# Altium PCB PC104-M7_6L.PcbDoc (part 1 of 3) (continued)
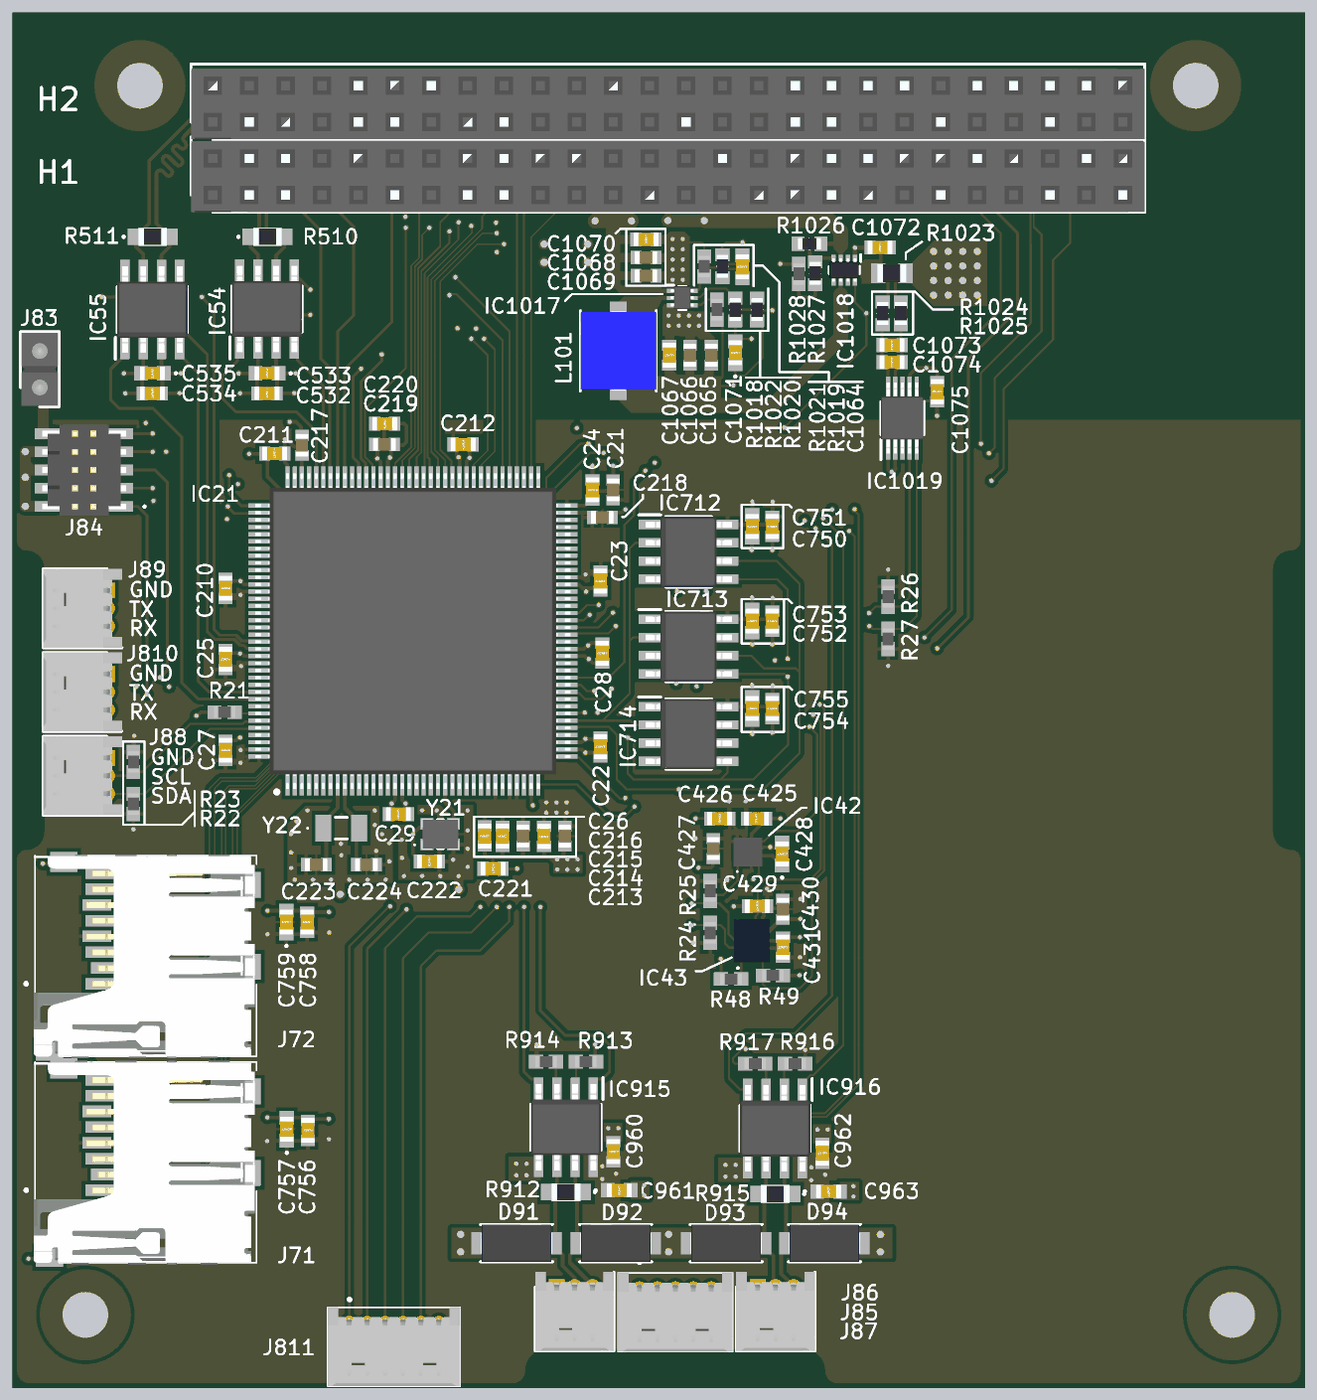
[diagram p7: 3D render of the assembled board from above, using the file's embedded part models]

## Layer stack, top to bottom
Top Solder: solder mask 0.0305, Solder Resist, Dk 3.8
Top Layer: signal copper 0.035
Dielectric 1: prepreg 0.0994, PP-015, Dk 4.1
Layer 2 (GND): plane copper 0.0152, net GND
Core 1: core 0.55, PP-037, Dk 4.6
Layer 3 (PWR): signal copper 0.0152
Dielectric 2: prepreg 0.1088, PP-017, Dk 4.16
Layer 4 (SIG): signal copper 0.0152
Core 2: core 0.55, PP-037, Dk 4.6
Layer 5 (GND): plane copper 0.0152, net GND
Dielectric 3: prepreg 0.0994, PP-015, Dk 4.1
Bottom Layer: signal copper 0.035
Bottom Solder: solder mask 0.0305, Solder Resist, Dk 3.8

## Board outline
0,1.2 0,36.85 cw(c0.96,36.85) 0.96,37.81 ccw(c0.96,38.77) 1.92,38.77 1.92,57.12 ccw(c0.96,57.12) 0.96,58.08 cw(c0.96,59.04) 0,59.04 0,94.69 cw(c1.2,94.69) 1.2,95.89 34.87,95.89 cw(c34.87,94.69) 36.07,94.69 ccw(c37.27,94.69) 37.27,93.49 55.19,93.49 ccw(c55.19,94.69) 56.39,94.69 cw(c57.59,94.69) 57.59,95.89 88.97,95.89 cw(c88.97,94.69) 90.17,94.69 90.17,59.045 cw(c89.21,59.045) 89.21,58.085 ccw(c89.21,57.125) 88.25,57.125 88.25,38.775 ccw(c89.21,38.775) 89.21,37.815 cw(c89.21,36.855) 90.17,36.855 90.17,1.2 cw(c88.97,1.2) 88.97,0 57.59,0 cw(c57.59,1.2) 56.39,1.2 ccw(c55.19,1.2) 55.19,2.4 37.27,2.4 ccw(c37.27,1.2) 36.07,1.2 cw(c34.87,1.2) 34.87,0 1.2,0 cw(c1.2,1.2)

## Design rules (kind name [scope] priority, off if disabled: settings)
BoardOutlineClearance OutlineClearance_JLCPCB [All] p1: gap=0.3 ignorepadtopadclearanceinfootprint=FALSE except(0: Fill-OutlineEdge Fill-CavityEdge Fill-CutoutEdge Fill-SplitBarrior Fill-SplitContinuation Region-OutlineEdge Region-CavityEdge Region-CutoutEdge Region-SplitBarrior Region-SplitContinuation)
Clearance Clearance_JLCPCB [All] p1: gap=0.254 ignorepadtopadclearanceinfootprint=TRUE except(0.09: Arc-Arc Arc-Track Track-Track; 0.127: SMDPad-SMDPad; 0.2: Arc-SMDPad Track-SMDPad; 0.5: THPad-Hole)
Clearance [All] p2: gap=0 ignorepadtopadclearanceinfootprint=TRUE except(0.254: Via-Via)
ComponentClearance ComponentClearance_1 [InComponent('H31') vs InComponent('H32')] p1: gap=0 collisioncheckmode=3 verticalgap=0.254 showdistances=FALSE
ComponentClearance [All] p2: gap=0.152 collisioncheckmode=3 verticalgap=0.254 showdistances=FALSE
DiffPairsRouting DiffPairsRouting_3 [All] p1: maxlimit=0.254 minlimit=0.254 mostfreqgap=0.254 toplayer_minwidth=0.254 toplayer_maxwidth=0.381 toplayer_prefwidth=0.381 midlayer1_minwidth=0.254 midlayer1_maxwidth=0.381 midlayer1_prefwidth=0.381 midlayer2_minwidth=0.254 midlayer2_maxwidth=0.381 midlayer2_prefwidth=0.381 bottomlayer_minwidth=0.254 bottomlayer_maxwidth=0.381 bottomlayer_prefwidth=0.381 maxuncoupledlength=12.7
DiffPairsRouting [All] p2: maxlimit=0.254 minlimit=0.254 mostfreqgap=0.254 toplayer_minwidth=0.381 toplayer_maxwidth=0.381 toplayer_prefwidth=0.381 midlayer1_minwidth=0.381 midlayer1_maxwidth=0.381 midlayer1_prefwidth=0.381 midlayer2_minwidth=0.381 midlayer2_maxwidth=0.381 midlayer2_prefwidth=0.381 bottomlayer_minwidth=0.381 bottomlayer_maxwidth=0.381 bottomlayer_prefwidth=0.381 maxuncoupledlength=12.7
Height [All] p1: minheight=0 maxheight=15 prefheight=12.7
HoleSize HoleSize_JLCPCB [All] p1: absolutevalues=TRUE maxlimit=6.3 minlimit=0.15 maxpercent=80.000 minpercent=20.000
HoleToHoleClearance HoleToHoleClearance_JLCPCB [All] p1: gap=0.254 allowstackedmicrovias=FALSE
MinimumAnnularRing MinimumAnnularRing_JLCPCB [IsPad] p1: minimumring=0.13
MinimumSolderMaskSliver [All] p1: minsoldermaskwidth=0.08
PlaneClearance [All] p1: clearance=0.508
PlaneConnect PlaneConnect_1 [InPadClass('All Pads')] p1: planeconnectstyle=Relief reliefexpansion=0.508 reliefentries=4 reliefconductorwidth=0.254 reliefairgap=0.254
PlaneConnect [All] p2: planeconnectstyle=Direct reliefexpansion=0.508 reliefentries=4 reliefconductorwidth=0.254 reliefairgap=0.254
PolygonConnect [All] p1: connectstyle=Relief reliefconductorwidth=0.254 reliefentries=4 polygonreliefangle="90 Angle" airgapwidth=0.254
RoutingTopology [OnLayer('Top Layer')] p1: topology=Shortest
RoutingVias RoutingVias_JLCPCB [All] p1: holewidth=0.3 width=0.45 viastyle="Through Hole" minholewidth=0.3 minwidth=0.45 maxholewidth=0.711 maxwidth=1.27
SilkToSilkClearance SilkToSilkClearance_JLCPCB [All] p1: silktosilkclearance=0.15
SilkToSolderMaskClearance SilkToSolderMaskClearance_JLCPCB [IsPad] p1: minsilkscreentomaskgap=0.15 clearancetoexposedcopper=TRUE
SolderMaskExpansion SolderMaskExpansion_JLCPCB [IsVia] p1: expansion=0.038 istentingtop=TRUE
UnRoutedNet [All] p1: checkbadconnections=TRUE
Width Width_JLCPCB [All] p1: maxlimit=2.54 minlimit=0.09 preferedwidth=0.254 toplayer_prefwidth=0.127 midlayer1_prefwidth=0.127 minimp=50.000000 maximp=50.000000 favimp=50.000000
18 further rules are at their usual default settings.

## Classes and differential pairs
component class RS485: C960 C961 C962 C963 D91 D92 D93 D94 IC915 IC916 R912 R913 R914 R915 R916 R917
component class Power: C1064 C1065 C1066 C1067 C1068 C1069 C1070 C1071 C1072 C1073 C1074 C1075 IC1017 IC1018 IC1019 L101 R1018 R1019 R1020 R1021 R1022 R1023 R1024 R1025 R1026 R1027 R1028
component class MemoryStorage: C750 C751 C752 C753 C754 C755 C756 C757 C758 C759 IC712 IC713 IC714 J71 J72
component class MCU: C21 C22 C23 C24 C25 C26 C27 C28 C29 C210 C211 C212 C213 C214 C215 C216 C217 C218 C219 C220 C221 C222 C223 C224 IC21 R21 R22 R23 R24 R25 R26 R27 Y21 Y22
component class ExternalConnectors: J83 J84 J85 J86 J87 J88 J89 J810 J811
component class CAN: C532 C533 C534 C535 IC54 IC55 R510 R511
component class BoardConnectors: H31 H32
component class AOCS: C425 C426 C427 C428 C429 C430 C431 IC42 IC43 R48 R49
differential pair RS485_2: +RS485_2_P -RS485_2_N
differential pair RS485_1: +RS485_1_P -RS485_1_N
differential pair FDCAN2: +FDCAN2_P -FDCAN2_N
differential pair FDCAN1: +FDCAN1_P -FDCAN1_N

## Components (designator, comment, footprint, x,y, rotation, side; value= is the part's Value field where it differs from the comment)
C21 "4.7uF" CAPC1608X90N 41.91,62.611 r90 top (schematic designator C1)
C22 "100nF" CAPC1608X95N 41.021,44.704 r270 top (schematic designator C2)
C23 "100nF" CAPC1608X95N 41.021,56.261 r270 top (schematic designator C3)
C24 "100nF" CAPC1608X95N 40.462,62.611 r90 top (schematic designator C4)
C25 "100nF" CAPC1608X95N 14.859,50.8 r90 top (schematic designator C5)
C26 "100nF" CAPC1608X95N 32.944,38.481 r270 top (schematic designator C6)
C27 "100nF" CAPC1608X95N 14.859,44.45 r90 top (schematic designator C7)
C28 "100nF" CAPC1608X95N 41.148,51.232 r270 top (schematic designator C8)
C29 "100nF" CAPC1608X95N 26.924,40.005 r180 top (schematic designator C9)
C210 "100nF" CAPC1608X95N 14.859,55.753 r90 top (schematic designator C10)
C211 "100nF" CAPC1608X95N 18.288,65.151 r180 top (schematic designator C11)
C212 "100nF" CAPC1608X95N 31.431,65.786 r0 top (schematic designator C12)
C213 "1uF" CAPC1608X90N 38.532,38.466 r270 top (schematic designator C13)
C214 "100nF" CAPC1608X95N 37.084,38.455 r270 top (schematic designator C14)
C215 "1uF" CAPC1608X90N 35.611,38.48 r270 top (schematic designator C15)
C216 "100nF" CAPC1608X95N 34.189,38.466 r270 top (schematic designator C16)
C217 "2.2uF" CAPC1608X90N 20.193,65.724 r90 top (schematic designator C17)
C218 "2.2uF" CAPC1608X90N 41.148,60.706 r0 top (schematic designator C18)
C219 "1uF" CAPC1608X90N 25.945,65.786 r0 top (schematic designator C19)
C220 "100nF" CAPC1608X95N 25.959,67.234 r0 top (schematic designator C20)
C221 "100nF" CAPC1608X95N 33.528,36.195 r180 top (schematic designator C21)
C222 "100nF" CAPC1608X95N 29.083,36.703 r0 top (schematic designator C22)
C223 "25pF" CAPC1608X90N 21.184,36.474 r180 top (schematic designator C23)
C224 "25pF" CAPC1608X90N 24.689,36.474 r0 top (schematic designator C24)
C425 "100nF" CAPC1608X95N 51.902,39.687 r0 top (schematic designator C25)
C426 "100nF" CAPC1608X95N 49.336,39.687 r180 top (schematic designator C26)
C427 "10uF" CAPC1608X90N 48.89,37.6 r270 top (schematic designator C27)
C428 "220nF" C0603 53.692,37.223 r90 top (schematic designator C28)
C429 "100nF" CAPC1608X95N 51.969,33.579 r180 top (schematic designator C29)
C430 "10uF" CAPC1608X90N 53.746,33.366 r270 top (schematic designator C30)
C431 "100nF" CAPC1608X95N 53.746,30.72 r90 top (schematic designator C31)
C532 "100nF" CAPC1608X95N 17.756,69.35 r180 top locked (schematic designator C32)
C533 "0.01uF" C0603 17.756,70.747 r180 top locked (schematic designator C33)
C534 "100nF" CAPC1608X95N 9.755,69.35 r180 top locked (schematic designator C34)
C535 "0.01uF" C0603 9.755,70.747 r180 top locked (schematic designator C35)
C750 "100nF" CAPC1608X95N 53.01,60.071 r270 top (schematic designator C50)
C751 "0.01uF" C0603 51.613,60.071 r270 top (schematic designator C51)
C752 "100nF" CAPC1608X95N 53.01,53.467 r270 top (schematic designator C52)
C753 "0.01uF" C0603 51.613,53.467 r270 top (schematic designator C53)
C754 "100nF" CAPC1608X95N 53.01,47.371 r270 top (schematic designator C54)
C755 "0.01uF" C0603 51.613,47.371 r270 top (schematic designator C55)
C756 "100nF" CAPC1608X95N 20.604,17.94 r90 top (schematic designator C56)
C757 "0.01uF" C0603 19.131,18.029 r90 top (schematic designator C57)
C758 "100nF" CAPC1608X95N 20.553,32.469 r90 top (schematic designator C58)
C759 "0.01uF" C0603 19.105,32.469 r90 top (schematic designator C59)
C960 "100nF" CAPC1608X95N 41.91,16.459 r90 top (schematic designator C60)
C961 "0.01uF" C0603 42.331,13.767 r0 top (schematic designator C61)
C962 "100nF" CAPC1608X95N 56.49,16.358 r90 top (schematic designator C62)
C963 "0.01uF" C0603 56.93,13.691 r0 top (schematic designator C63)
C1064 "30pF" C0603 50.926,78.173 r270 top locked (schematic designator C64)
C1065 "22uF" CAPC1608X90N 48.752,72.009 r90 top locked (schematic designator C65)
C1066 "22uF" CAPC1608X90N 47.253,72.009 r90 top locked (schematic designator C66)
C1067 "100nF" CAPC1608X95N 45.817,72.009 r90 top locked (schematic designator C67)
C1068 "10uF" CAPC1608X90N 44.19,78.823 r0 top locked (schematic designator C68)
C1069 "10uF" CAPC1608X90N 44.19,77.553 r0 top locked (schematic designator C69)
C1070 "100nF" CAPC1608X95N 44.19,80.093 r0 top locked (schematic designator C70)
C1071 "0.01uF" C0603 50.425,72.175 r90 top (schematic designator C71)
C1072 "100nF" CAPC1608X95N 60.525,79.525 r180 top (schematic designator C72)
C1073 "100nF" CAPC1608X95N 61.358,72.721 r0 top locked (schematic designator C73)
C1074 "100nF" CAPC1608X95N 61.358,71.527 r0 top locked (schematic designator C74)
C1075 "100nF" CAPC1608X95N 64.516,69.469 r270 top locked (schematic designator C75)
D91 "SMAJ30CA" DIONM5026X229N 35.167,10.084 r0 top (schematic designator D1)
D92 "SMAJ30CA" DIONM5026X229N 42.081,10.084 r180 top (schematic designator D2)
D93 "SMAJ30CA" DIONM5026X229N 49.79,10.084 r0 top (schematic designator D3)
D94 "SMAJ30CA" DIONM5026X229N 56.648,10.084 r180 top (schematic designator D4)
H31 "ESQ-126-39-G-D-001" RHDR52W64P254_2X26_6654X495X1135P 13.97,83.19 r0 top locked (schematic designator H1)
H32 "ESQ-126-39-G-D-001" RHDR52W64P254_2X26_6654X495X1135P 13.97,88.27 r0 top locked (schematic designator H2)
IC21 "STM32H753ZIT6" QFP50P2200X2200X160-144N 27.934,52.773 r90 top locked (schematic designator IC1)
IC42 "IIS2MDCTR" IIS2MDCTR 51.304,37.35 r90 top (schematic designator IC2)
IC43 "ASM330LHHTR" LGA-14(2.5X3X0.86) 51.587,31.166 r90 top (schematic designator IC3)
IC54 "TCAN337GDR" SOIC127P600X175-8N 17.756,75.23 r90 top locked (schematic designator IC4)
IC55 "TCAN337GDR" SOIC127P600X175-8N 9.755,75.192 r90 top locked (schematic designator IC5)
IC712 "MB85RS1MTPNF-G-JNERE1" SOIC127P600X175-8N 47.168,58.293 r0 top locked (schematic designator IC12)
IC713 "MB85RS1MTPNF-G-JNERE1" SOIC127P600X175-8N 47.168,51.689 r0 top locked (schematic designator IC13)
IC714 "MB85RS1MTPNF-G-JNERE1" SOIC127P600X175-8N 47.168,45.593 r0 top locked (schematic designator IC14)
IC915 "THVD2450DR" SOIC127P600X175-8N 38.614,18.165 r270 top (schematic designator IC15)
IC916 "THVD2450DR" SOIC127P600X175-8N 53.203,18.085 r270 top (schematic designator IC16)
IC1017 "TPS564252DRLR" SOTFL50P160X60-6N 46.726,75.996 r0 top locked (schematic designator IC17)
IC1018 "TPS2117DRLR" SOTFL50P160X60-8N 58.032,77.949 r270 top locked (schematic designator IC18)
IC1019 "INA237AQDGSRQ1" SOP50P490X110-10N 62.087,67.625 r90 top locked (schematic designator IC19)
J71 "MEM2061-01-188-00-A" MEM20610118800A 6.075,21.474 r270 top locked (schematic designator J1)
J72 "MEM2061-01-188-00-A" MEM20610118800A 6.075,35.876 r270 top locked (schematic designator J2)
J83 "61300211121" HDRV2W110P0X254_1X2_508X254X854P 1.9,69.76 r90 top (schematic designator J3)
J84 "FTSH-105-01-L-DV-K" FTSH10501LDVK 7,64 r90 top (schematic designator J4)
J85 "0530480560" 530480510 43.743,6.96 r180 top (schematic designator J5)
J86 "53048-0360" SHDRRA3W35P0X125_1X3_550X550X350P 37.962,7.01 r180 top (schematic designator J6)
J87 "53048-0360" SHDRRA3W35P0X125_1X3_550X550X350P 51.988,7.01 r180 top (schematic designator J7)
J88 "53048-0360" SHDRRA3W35P0X125_1X3_550X550X350P 6.585,43.928 r90 top (schematic designator J8)
J89 "53048-0360" SHDRRA3W35P0X125_1X3_550X550X350P 6.585,55.606 r90 top (schematic designator J9)
J810 "53048-0360" SHDRRA3W35P0X125_1X3_550X550X350P 6.585,49.773 r90 top (schematic designator J10)
J811 "53048-0610" 530480610 23.49,4.55 r180 top (schematic designator J11)
L101 "3.3uH" INDPM5653X430N 42.264,72.31 r270 top locked (schematic designator L1)
R21 "10K" RESC1508X50N 14.794,47.117 r180 top (schematic designator R1)
R22 "10K" RESC1508X50N 8.433,40.716 r90 top (schematic designator R2)
R23 "10K" RESC1508X50N 8.433,43.637 r270 top (schematic designator R3)
R24 "10K" RESC1508X50N 48.678,31.725 r90 top (schematic designator R4)
R25 "10K" RESC1508X50N 48.678,34.646 r270 top (schematic designator R5)
R26 "10K" RESC1508X50N 61.087,55.169 r270 top (schematic designator R6)
R27 "10K" RESC1508X50N 61.087,52.222 r90 top (schematic designator R7)
R48 "10K" RESC1508X50N 50.125,28.5 r180 top (schematic designator R8)
R49 "10K" RESC1508X50N 53.049,28.753 r0 top (schematic designator R9)
R510 "120R" ERA6VK 17.78,80.264 r0 top locked (schematic designator R10)
R511 "120R" ERA6VK 9.779,80.264 r0 top locked (schematic designator R11)
R912 "120R" ERA6VK 38.614,13.64 r180 top (schematic designator R12)
R913 "10K" RESC1508X50N 40.006,22.733 r0 top (schematic designator R13)
R914 "10K" RESC1508X50N 37.217,22.733 r180 top (schematic designator R14)
R915 "120R" ERA6VK 53.213,13.513 r180 top (schematic designator R15)
R916 "10K" RESC1508X50N 54.6,22.606 r0 top (schematic designator R16)
R917 "10K" RESC1508X50N 51.806,22.606 r180 top (schematic designator R17)
R1018 "10K" RESC1508X50N 49.149,75.184 r90 top locked (schematic designator R18)
R1019 "45.3k" RESC1608X55N 49.526,78.203 r270 top locked (schematic designator R19)
R1020 "20k" RESC1608X55N 51.943,75.184 r270 top locked (schematic designator R20)
R1021 "10K" RESC1508X50N 48.258,78.203 r90 top locked (schematic designator R21)
R1022 "20k" RESC1608X55N 50.419,75.184 r270 top locked (schematic designator R22)
R1023 "1m" RESC2012X80N 61.341,77.724 r180 top locked (schematic designator R23)
R1024 "10R" RESC1608X55N 60.706,74.93 r90 top locked (schematic designator R24)
R1025 "10R" RESC1608X55N 61.976,74.93 r90 top locked (schematic designator R25)
R1026 "45.3k" RESC1608X55N 55.601,79.781 r180 top locked (schematic designator R26)
R1027 "20k" RESC1608X55N 56,77.72 r90 top locked (schematic designator R27)
R1028 "10K" RESC1508X50N 54.86,77.674 r270 top locked (schematic designator R28)
Y21 "ECS-TXO-2520-33-160-AN-TR" ECSTXO252033160ANTR 29.845,38.608 r0 top (schematic designator Y1)
Y22 "CM315D32768HZFT" CM315D32768HZFT 22.934,39.026 r0 top (schematic designator Y2)

## Footprints (in the part's own frame and the unit in brackets; to place one, negate y for a bottom-side part, rotate by r counter-clockwise, add the part's x,y. Pads: shape width x height; smd on the part's side, far side on the other; paste and mask are expansions set on the pad)
530480510 [mm]
  round 0.9 hole 0.55: 1(0,0) 2(-1.25,0) 3(-2.5,0) 4(-3.75,0) 5(-5,0)
  silkscreen extent -6.5,-1.9 1.5,4.45, body extent -6.5,-1.04 1.5,4.45, height 3.33
530480610 [mm]
  round 0.9 hole 0.55: 1(0,0) 2(-1.25,0) 3(-2.5,0) 4(-3.75,0) 5(-5,0) 6(-6.25,0)
  silkscreen extent -7.75,-1.7 1.5,4.45, body extent -7.74,-1.07 1.51,4.43, height 3.27
C0603 [mm]
  rect 0.95x1 smd: 1(-0.8,0) 2(0.8,0)
  silkscreen extent -1.7,-0.05 -1.6,0.05, body extent -0.87,-0.48 0.88,0.47, height 0.95
CAPC1608X90N [mm]
  rect 0.75x0.94 smd: 1(-0.7,0) 2(0.7,0)
  body extent -0.8,-0.45 0.8,0.45, height 0.8
CAPC1608X95N [mm]
  rect 0.78x0.98 smd: 1(-0.7,0) 2(0.7,0)
  body extent -0.87,-0.48 0.88,0.47, height 0.87
CM315D32768HZFT [mm]
  rect 1.1x1.9 smd: 1(-1.25,0) 2(1.25,0)
  silkscreen extent -2.4,-0.75 0.4,0.75
DIONM5026X229N [mm]
  rect 2.2x1.55 smd: 1(-2.05,0) 2(2.05,0)
  silkscreen extent -2.52,-1.3 2.52,1.3, body extent -2.52,-1.3 2.52,1.3, height 2.29
ECSTXO252033160ANTR [mm]
  rect 0.9x0.8 smd: 1(-0.925,-0.725) 2(0.925,-0.725) 3(0.925,0.725) 4(-0.925,0.725)
  silkscreen extent -1.85,-1 0.2,1, body extent -1.3,-1.04 1.3,1.04, height 1.1
ERA6VK [mm]
  rect 1.15x1.15 smd: 1(-1.175,0) 2(1.175,0)
  silkscreen extent -2.07,-0.05 -1.97,0.05, body extent -1,-0.63 1,0.63, height 0.56
FTSH10501LDVK [mm]
  rect 0.74x2.79 smd: 1(-2.54,0) 2(-2.54,4.07) 3(-1.27,0) 4(-1.27,4.07) 5(0,0) 6(0,4.07) 7(1.27,0) 8(1.27,4.07) 9(2.54,0) 10(2.54,4.07)
  silkscreen extent -2.6,-2.25 -2.5,-2.15, body extent -3.18,-0.92 3.17,4.93, height 6.13
HDRV2W110P0X254_1X2_508X254X854P [mm]
  rect 1.95x1.95 hole 1.3: 1(0,0)
  round 1.95 hole 1.3: 2(2.54,0)
  silkscreen extent -1.35,-1.34 3.89,1.35, body extent -1.27,-1.27 3.81,1.27, height 8.54
IIS2MDCTR [mm]
  rect 0.35x0.3 smd: 1(-0.75,0.75) 2(-0.75,0.25) 3(-0.75,-0.25) 4(-0.75,-0.75) 7(0.75,-0.75) 8(0.75,-0.25) 9(0.75,0.25) 10(0.75,0.75)
  rect 0.3x0.35 smd: 5(-0.25,-0.75) 6(0.25,-0.75) 11(0.25,0.75) 12(-0.25,0.75)
  silkscreen extent -1.4,0.7 -1.3,0.8, body extent -1,-1 1,1, height 0.7
INDPM5653X430N [mm]
  rect 2.25x1.2 smd: 1(-2.3,0) 2(2.3,0)
  silkscreen extent -2.8,-2.65 2.8,2.65, body extent -2.8,-2.65 2.8,2.65, height 4.3
LGA-14(2.5X3X0.86) [mm]
  rect 0.475x0.25 smd: 1(-1.163,0.75) 2(-1.163,0.25) 3(-1.163,-0.25) 4(-1.163,-0.75) 8(1.162,-0.75) 9(1.162,-0.25) 10(1.162,0.25) 11(1.162,0.75)
  rect 0.25x0.475 smd: 5(-0.5,-0.913) 6(0,-0.913) 7(0.5,-0.913) 12(0.5,0.912) 13(0,0.912) 14(-0.5,0.912)
  silkscreen extent -1.93,0.95 -1.88,1.01, body extent -1.5,-1.25 1.5,1.25, height 0.86
MEM20610118800A [mm]
  rect 1.8x1.4 smd: CD1(6.51,10.55) CD2(0.81,10.55)
  rect 1.4x1.9 smd: G1(12.36,-3.5) G2(-0.79,-2.5)
  rect 0.8x2 smd: P1(7.7,0) P2(6.6,0.4) P3(5.5,0) P4(4.4,-0.2) P5(3.3,0) P6(2.2,-0.2) P7(1.1,0) P8(0,0)
  silkscreen extent -1.24,-5.23 12.76,10.95, body extent -1.32,-4.61 12.88,10.84, height 1.95
QFP50P2200X2200X160-144N [mm]
  rect 1.475x0.3 smd: 1(-10.738,8.75) 2(-10.738,8.25) 3(-10.738,7.75) 4(-10.738,7.25) 5(-10.738,6.75) 6(-10.738,6.25) 7(-10.738,5.75) 8(-10.738,5.25) 9(-10.738,4.75) 10(-10.738,4.25) 11(-10.738,3.75) 12(-10.738,3.25) 13(-10.738,2.75) 14(-10.738,2.25) 15(-10.738,1.75) 16(-10.738,1.25) 17(-10.738,0.75) 18(-10.738,0.25) 19(-10.738,-0.25) 20(-10.738,-0.75) 21(-10.738,-1.25) 22(-10.738,-1.75) 23(-10.738,-2.25) 24(-10.738,-2.75) 25(-10.738,-3.25) 26(-10.738,-3.75) 27(-10.738,-4.25) 28(-10.738,-4.75) 29(-10.738,-5.25) 30(-10.738,-5.75) 31(-10.738,-6.25) 32(-10.738,-6.75) 33(-10.738,-7.25) 34(-10.738,-7.75) 35(-10.738,-8.25) 36(-10.738,-8.75) 73(10.738,-8.75) 74(10.738,-8.25) 75(10.738,-7.75) 76(10.738,-7.25) 77(10.738,-6.75) 78(10.738,-6.25) 79(10.738,-5.75) 80(10.738,-5.25) 81(10.738,-4.75) 82(10.738,-4.25) 83(10.738,-3.75) 84(10.738,-3.25) 85(10.738,-2.75) 86(10.738,-2.25) 87(10.738,-1.75) 88(10.738,-1.25) 89(10.738,-0.75) 90(10.738,-0.25) 91(10.738,0.25) 92(10.738,0.75) 93(10.738,1.25) 94(10.738,1.75) 95(10.738,2.25) 96(10.738,2.75) 97(10.738,3.25) 98(10.738,3.75) 99(10.738,4.25) 100(10.738,4.75) 101(10.738,5.25) 102(10.738,5.75) 103(10.738,6.25) 104(10.738,6.75) 105(10.738,7.25) 106(10.738,7.75) 107(10.738,8.25) 108(10.738,8.75)
  rect 0.3x1.475 smd: 37(-8.75,-10.738) 38(-8.25,-10.738) 39(-7.75,-10.738) 40(-7.25,-10.738) 41(-6.75,-10.738) 42(-6.25,-10.738) 43(-5.75,-10.738) 44(-5.25,-10.738) 45(-4.75,-10.738) 46(-4.25,-10.738) 47(-3.75,-10.738) 48(-3.25,-10.738) 49(-2.75,-10.738) 50(-2.25,-10.738) 51(-1.75,-10.738) 52(-1.25,-10.738) 53(-0.75,-10.738) 54(-0.25,-10.738) 55(0.25,-10.738) 56(0.75,-10.738) 57(1.25,-10.738) 58(1.75,-10.738) 59(2.25,-10.738) 60(2.75,-10.738) 61(3.25,-10.738) 62(3.75,-10.738) 63(4.25,-10.738) 64(4.75,-10.738) 65(5.25,-10.738) 66(5.75,-10.738) 67(6.25,-10.738) 68(6.75,-10.738) 69(7.25,-10.738) 70(7.75,-10.738) 71(8.25,-10.738) 72(8.75,-10.738) 109(8.75,10.738) 110(8.25,10.738) 111(7.75,10.738) 112(7.25,10.738) 113(6.75,10.738) 114(6.25,10.738) 115(5.75,10.738) 116(5.25,10.738) 117(4.75,10.738) 118(4.25,10.738) 119(3.75,10.738) 120(3.25,10.738) 121(2.75,10.738) 122(2.25,10.738) 123(1.75,10.738) 124(1.25,10.738) 125(0.75,10.738) 126(0.25,10.738) 127(-0.25,10.738) 128(-0.75,10.738) 129(-1.25,10.738) 130(-1.75,10.738) 131(-2.25,10.738) 132(-2.75,10.738) 133(-3.25,10.738) 134(-3.75,10.738) 135(-4.25,10.738) 136(-4.75,10.738) 137(-5.25,10.738) 138(-5.75,10.738) 139(-6.25,10.738) 140(-6.75,10.738) 141(-7.25,10.738) 142(-7.75,10.738) 143(-8.25,10.738) 144(-8.75,10.738)
  silkscreen extent -11.35,-9.65 9.65,9.65, body extent -11,-11 11,11, height 1.6
RESC1508X50N [mm]
  rect 1x0.95 smd: 1(-0.7,0) 2(0.7,0)
  body extent -0.75,-0.4 0.75,0.4, height 0.4
RESC1608X55N [mm]
  rect 0.9x1 smd: 1(-0.8,0) 2(0.8,0)
  silkscreen extent 0,-0.32 0,0.32, body extent -0.8,-0.4 0.8,0.4, height 0.45
RESC2012X80N [mm]
  rect 1x1.4 smd: 1(-0.95,0) 2(0.95,0)
  silkscreen extent 0,-0.53 0,0.52, body extent -1,-0.63 1,0.63, height 0.8
RHDR52W64P254_2X26_6654X495X1135P [mm]
  rect 1.65x1.65 hole 1.1: 1(0,0)
  round 1.65 hole 1.1: 2(0,2.54) 3(2.54,0) 4(2.54,2.54) 5(5.08,0) 6(5.08,2.54) 7(7.62,0) 8(7.62,2.54) 9(10.16,0) 10(10.16,2.54) 11(12.7,0) 12(12.7,2.54) 13(15.24,0) 14(15.24,2.54) 15(17.78,0) 16(17.78,2.54) 17(20.32,0) 18(20.32,2.54) 19(22.86,0) 20(22.86,2.54) 21(25.4,0) 22(25.4,2.54) 23(27.94,0) 24(27.94,2.54) 25(30.48,0) 26(30.48,2.54) 27(33.02,0) 28(33.02,2.54) 29(35.56,0) 30(35.56,2.54) 31(38.1,0) 32(38.1,2.54) 33(40.64,0) 34(40.64,2.54) 35(43.18,0) 36(43.18,2.54) 37(45.72,0) 38(45.72,2.54) 39(48.26,0) 40(48.26,2.54) 41(50.8,0) 42(50.8,2.54) 43(53.34,0) 44(53.34,2.54) 45(55.88,0) 46(55.88,2.54) 47(58.42,0) 48(58.42,2.54) 49(60.96,0) 50(60.96,2.54) 51(63.5,0) 52(63.5,2.54)
  silkscreen extent -1.52,-1.21 65.02,4.05, body extent -1.52,-1.2 65.02,3.74, height 11.35
SHDRRA3W35P0X125_1X3_550X550X350P [mm]
  rect 1.1x1.1 hole 0.7: 1(0,0)
  round 1.1 hole 0.7: 2(-1.25,0) 3(-2.5,0)
  silkscreen extent -4,-1.05 1.5,4.45, body extent -4,-1.05 1.5,4.44, height 3.32
SOIC127P600X175-8N [mm]
  rect 1.528x0.65 smd: 1(-2.711,1.905) 2(-2.711,0.635) 3(-2.711,-0.635) 4(-2.711,-1.905) 5(2.711,-1.905) 6(2.711,-0.635) 7(2.711,0.635) 8(2.711,1.905)
  silkscreen extent -3.47,-2.45 1.6,2.58, body extent -3.01,-2.45 3.01,2.45, height 1.63
SOP50P490X110-10N [mm]
  rect 1.4x0.3 smd: 1(-2.2,1) 2(-2.2,0.5) 3(-2.2,0) 4(-2.2,-0.5) 5(-2.2,-1) 6(2.2,-1) 7(2.2,-0.5) 8(2.2,0) 9(2.2,0.5) 10(2.2,1)
  silkscreen extent -2.9,-1.5 1.15,1.5, body extent -2.46,-1.5 2.46,1.5, height 1.1
SOTFL50P160X60-6N [mm]
  rect 0.475x0.3 smd: 1(-0.838,0.5) 2(-0.838,0) 3(-0.838,-0.5) 4(0.838,-0.5) 5(0.838,0) 6(0.838,0.5)
  silkscreen extent -1.07,-0.8 0.25,0.9, body extent -0.8,-0.78 0.8,0.82, height 0.6
SOTFL50P160X60-8N [mm]
  rect 0.475x0.3 smd: 1(-0.838,0.75) 2(-0.838,0.25) 3(-0.838,-0.25) 4(-0.838,-0.75) 5(0.838,-0.75) 6(0.838,-0.25) 7(0.838,0.25) 8(0.838,0.75)
  silkscreen extent -1.07,-1.05 0.25,1.15, body extent -0.8,-1.05 0.8,1.05, height 0.6

## Part data
C21: library part CL10A475KP8NNNC, "4.7 µF ±10% 10V Ceramic Capacitor X5R 0603 (1608 Metric)", Manufacturer_Name=SAMSUNG, Mouser Part Number=187-CL10A475KP8NNNC, Arrow Part Number=CL10A475KP8NNNC, Arrow Price/Stock=https://www.arrow.com/en/products/cl10a475kp8nnnc/samsung-electro-mechanics?region=europe, Datasheet Link=https://www.arrow.com/en/products/cl10a475kp8nnnc/samsung-electro-mechanics, Height=0.9mm, Manufacturer_Part_Number=CL10A475KP8NNNC, Mouser Price/Stock=https://www.mouser.co.uk/ProductDetail/Samsung-Electro-Mechanics/CL10A475KP8NNNC?qs=hqM3L16%252BxlfQRmkWsZz5vA%3D%3D
C22 C23 C24 C25 C26 C27 C28 C29 C210 C211 C212 C214 C216 C220 C221 C222 C425 C426 C429 C431 C532 C534 C750 C752 C754 C756 C758 C960 C962 C1067 C1070 C1072 C1073 C1074 C1075: library part C0603C104M4RAC7867, "0.1 µF ±20% 16V Ceramic Capacitor X7R 0603 (1608 Metric)", Manufacturer_Name=KEMET, Mouser Part Number=N/A, Arrow Part Number=C0603C104M4RAC7867, Arrow Price/Stock=https://www.arrow.com/en/products/c0603c104m4rac7867/kemet-corporation?region=europe, Datasheet Link=https://www.arrow.com/en/products/c0603c104m4rac7867/kemet-corporation?region=nac, Height=0.95mm, Manufacturer_Part_Number=C0603C104M4RAC7867, Mouser Price/Stock=https://www.mouser.co.uk/ProductDetail/KEMET/C0603C104M4RAC7867?qs=nAEW9fCjKd%252BI998RVtZhZQ%3D%3D
C213 C215 C219: library part CL10A105KA8NNNC, "1 µF ±10% 25V Ceramic Capacitor X5R 0603 (1608 Metric)", Manufacturer_Name=SAMSUNG, Mouser Part Number=187-CL10A105KA8NNNC, Arrow Part Number=CL10A105KA8NNNC, Arrow Price/Stock=https://www.arrow.com/en/products/cl10a105ka8nnnc/samsung-electro-mechanics?region=europe, Datasheet Link=http://uk.rs-online.com/web/p/products/7664838, Height=0.9mm, Manufacturer_Part_Number=CL10A105KA8NNNC, Mouser Price/Stock=https://www.mouser.co.uk/ProductDetail/Samsung-Electro-Mechanics/CL10A105KA8NNNC?qs=hqM3L16%252BxldY%252BnK4KzDJVg%3D%3D
C217 C218: library part CL10A225KO8NNNC, "2.2 µF ±10% 16V Ceramic Capacitor X5R 0603 (1608 Metric)", Manufacturer_Name=SAMSUNG, Mouser Part Number=187-CL10A225KO8NNNC, Arrow Part Number=CL10A225KO8NNNC, Arrow Price/Stock=https://www.arrow.com/en/products/cl10a225ko8nnnc/samsung-electro-mechanics?region=nac, Datasheet Link=https://lcsc.componentsearchengine.com/Datasheets/2/CL10A225KO8NNNC.pdf, Height=0.9mm, Manufacturer_Part_Number=CL10A225KO8NNNC, Mouser Price/Stock=https://www.mouser.co.uk/ProductDetail/Samsung-Electro-Mechanics/CL10A225KO8NNNC?qs=hqM3L16%252BxlecoJxUp5hKOw%3D%3D
C223 C224: library part GCM1885C2A220FA16D, "22 pF ±1% 100V Ceramic Capacitor C0G, NP0 0603 (1608 Metric)", Manufacturer_Name="Murata Electronics", Datasheet Link=https://www.murata.com/en-global/api/pdfdownloadapi?cate=luCeramicCapacitorsSMD&partno=GCM1885C2A220FA16%23, Height=0.9mm, Manufacturer_Part_Number=GCM1885C2A220FA16D
C427 C430 C1068 C1069: library part GRM188D71A106KA73D, "CAP CER 10UF 10V X7T 0603", Manufacturer_Name="Murata Electronics", Mouser Part Number=81-GRM188D71A106KA3D, Arrow Part Number=GRM188D71A106KA73D, Arrow Price/Stock=https://www.arrow.com/en/products/grm188d71a106ka73d/murata-manufacturing?region=nac, Datasheet Link=https://psearch.en.murata.com/capacitor/product/GRM188D71A106KA73%23.html, Height=0.9mm, Manufacturer_Part_Number=GRM188D71A106KA73D, Mouser Price/Stock=https://www.mouser.co.uk/ProductDetail/Murata-Electronics/GRM188D71A106KA73D?qs=FvQ4nYu%252B2He2GIhYKxXmMQ%3D%3D
C428: library part C0603C224K4RECAUTO, "0.22 µF ±10% 16V Ceramic Capacitor X7R 0603 (1608 Metric)", Manufacturer_Name=KEMET, Mouser Part Number=80-C0603C224K4RECAUT, Arrow Part Number=C0603C224K4RECAUTO, Arrow Price/Stock=https://www.arrow.com/en/products/c0603c224k4recauto/kemet-corporation, Datasheet Link=https://content.kemet.com/datasheets/KEM_C1090_X7R_ESD.pdf, Height=0.87mm, Manufacturer_Part_Number=C0603C224K4RECAUTO, Mouser Price/Stock=https://www.mouser.co.uk/ProductDetail/KEMET/C0603C224K4RECAUTO?qs=MLItCLRbWszB36u3S8vAZQ%3D%3D
C533 C535 C751 C753 C755 C757 C759 C961 C963 C1071: library part C0603C103KMRECAUTO, "10000 pF ±10% 63V Ceramic Capacitor X7R 0603 (1608 Metric)", Manufacturer_Name=KEMET, Mouser Part Number=80-C0603C103KMREAUTO, Arrow Part Number=C0603C103KMRECAUTO, Arrow Price/Stock=https://www.arrow.com/en/products/c0603c103kmrecauto/kemet-corporation?region=nac, Datasheet Link=https://content.kemet.com/datasheets/KEM_C1090_X7R_ESD.pdf, Height=0.87mm, Manufacturer_Part_Number=C0603C103KMRECAUTO, Mouser Price/Stock=https://www.mouser.co.uk/ProductDetail/KEMET/C0603C103KMRECAUTO?qs=u4fy%2FsgLU9P0r6p3bzZgfw%3D%3D
C1064: library part C0603C300F5HACAUTO, "30 pF ±1% 50V Ceramic Capacitor X8R 0603 (1608 Metric)", Manufacturer_Name=KEMET, Mouser Part Number=80-C0603C300F5HAUTO, Datasheet Link=https://content.kemet.com/datasheets/KEM_C1007_X8R_ULTRA_150C_SMD.pdf, Height=0.87mm, Manufacturer_Part_Number=C0603C300F5HACAUTO, Mouser Price/Stock=https://www.mouser.com/Search/Refine.aspx?Keyword=80-C0603C300F5HAUTO
C1065 C1066: library part GRT188R61A226ME13D, "22 µF ±20% 10V Ceramic Capacitor X5R 0603 (1608 Metric)", Manufacturer_Name="Murata Electronics", Mouser Part Number=81-GRT188R61A226ME13, Arrow Part Number=GRT188R61A226ME13D, Arrow Price/Stock=https://www.arrow.com/en/products/grt188r61a226me13d/murata-manufacturing?region=nac, Datasheet Link=https://psearch.en.murata.com/capacitor/product/GRT188R61A226ME13%23.html, Height=0.9mm, Manufacturer_Part_Number=GRT188R61A226ME13D, Mouser Price/Stock=https://www.mouser.co.uk/ProductDetail/Murata-Electronics/GRT188R61A226ME13D?qs=rrS6PyfT74d5NiMXLiYh8Q%3D%3D
D91 D92 D93 D94: "48.4V Clamp 8.3A Ipp Tvs Diode Surface Mount DO-214AC (SMA)", Manufacturer_Name=LITTELFUSE, Mouser Part Number=576-SMAJ30CA, Arrow Part Number=SMAJ30CA, Arrow Price/Stock=https://www.arrow.com/en/products/smaj30ca/littelfuse?region=nac, Datasheet Link=https://www.mouser.se/datasheet/2/240/Littelfuse_TVS_Diode_SMAJ_Datasheet.pdf-540740.pdf, Height=2.29mm, Manufacturer_Part_Number=SMAJ30CA, Mouser Price/Stock=https://www.mouser.co.uk/ProductDetail/Littelfuse/SMAJ30CA?qs=HR2RnyOI4E7JQai5qAA1IA%3D%3D
H31 H32: "52 Position Elevated Socket Connector 0.100\" (2.54mm) Through Hole Gold", Manufacturer_Name=SAMTEC, Mouser Part Number=200-ESQ12639GD001, Datasheet Link=http://suddendocs.samtec.com/catalog_english/esq_th.pdf, Height=11.35mm, Manufacturer_Part_Number=ESQ-126-39-G-D-001, Mouser Price/Stock=https://www.mouser.co.uk/ProductDetail/Samtec/ESQ-126-39-G-D-001?qs=PB6%2FjmICvI2K%2FCIgL4SVbg%3D%3D
IC21: "ARM® Cortex®-M7 STM32H7 Microcontroller IC 32-Bit Single-Core 480MHz 2MB (2M x 8) FLASH 144-LQFP (20x20)", Manufacturer_Name=STMicroelectronics, Mouser Part Number=511-STM32H753ZIT6, Arrow Part Number=STM32H753ZIT6, Arrow Price/Stock=https://www.arrow.com/en/products/stm32h753zit6/stmicroelectronics?region=nac, Datasheet Link=http://www.st.com/content/ccc/resource/technical/document/datasheet/group3/01/21/00/39/12/c9/4c/f1/DM00388325/files/DM00388325.pdf/jcr:content/translations/en.DM00388325.pdf, Height=1.6mm, Manufacturer_Part_Number=STM32H753ZIT6, Mouser Price/Stock=https://www.mouser.co.uk/ProductDetail/STMicroelectronics/STM32H753ZIT6?qs=u4fy%2FsgLU9PzR9vtNNw%2FMw%3D%3D
IC42: "Magnetoresistive Sensor X, Y, Z Axis 12-LGA (2x2)", Manufacturer_Name=STMicroelectronics, Mouser Part Number=511-IIS2MDCTR, Arrow Part Number=IIS2MDCTR, Arrow Price/Stock=https://www.arrow.com/en/products/iis2mdctr/stmicroelectronics?region=nac, Datasheet Link=https://www.st.com/resource/en/datasheet/iis2mdc.pdf, Height=0.7mm, Manufacturer_Part_Number=IIS2MDCTR, Mouser Price/Stock=https://www.mouser.co.uk/ProductDetail/STMicroelectronics/IIS2MDCTR?qs=1mbolxNpo8ems1K%2FRdQzXg%3D%3D
IC43: "Accelerometer, Gyroscope, Temperature, 6 Axis Sensor I²C, SPI Output", Manufacturer_Name=STMicroelectronics, Mouser Part Number=511-ASM330LHHTR, Arrow Part Number=ASM330LHHTR, Arrow Price/Stock=https://www.arrow.com/en/products/asm330lhhtr/stmicroelectronics?region=nac, Datasheet Link=https://www.st.com/resource/en/datasheet/asm330lhh.pdf, Manufacturer_Part_Number=ASM330LHHTR, Mouser Price/Stock=https://www.mouser.co.uk/ProductDetail/STMicroelectronics/ASM330LHHTR?qs=lc2O%252BfHJPVYgP8P9MzExKQ%3D%3D
IC54 IC55: "1/1 Transceiver CANbus 8-SOIC", Manufacturer_Name="Texas Instruments", Mouser Part Number=595-TCAN337GDR, Arrow Part Number=TCAN337GDR, Arrow Price/Stock=https://www.arrow.com/en/products/tcan337gdr/texas-instruments?region=nac, Datasheet Link=http://www.ti.com/lit/gpn/tcan337g, Height=1.75mm, Manufacturer_Part_Number=TCAN337GDR, Mouser Price/Stock=https://www.mouser.co.uk/ProductDetail/Texas-Instruments/TCAN337GDR?qs=gMfM3zrbS4qJ%252BEWbPaeUtA%3D%3D
IC712 IC713 IC714: "FRAM (Ferroelectric RAM) Memory IC 1Mbit SPI 40 MHz 8-SOP", Manufacturer_Name=FUJITSU, Mouser Part Number=249-85S1MTPNFGJNERE1, Datasheet Link=https://www.fujitsu.com/us/Images/MB85RS1MT-DS501-00022-2v0-E.pdf, Height=1.75mm, Manufacturer_Part_Number=MB85RS1MTPNF-G-JNERE1, Mouser Price/Stock=https://www.mouser.co.uk/ProductDetail/Fujitsu-Semiconductor/MB85RS1MTPNF-G-JNERE1?qs=HBWAp0VN4Rhzv67G8JdVdQ%3D%3D
IC915 IC916: "1/1 Transceiver Half RS485 8-SOIC", Manufacturer_Name="Texas Instruments", Mouser Part Number=595-THVD2450DR, Arrow Part Number=THVD2450DR, Arrow Price/Stock=https://www.arrow.com/en/products/thvd2450dr/texas-instruments?region=nac, Datasheet Link=http://www.ti.com/lit/gpn/THVD2450, Height=1.75mm, Manufacturer_Part_Number=THVD2450DR, Mouser Price/Stock=https://www.mouser.co.uk/ProductDetail/Texas-Instruments/THVD2450DR?qs=%252B6g0mu59x7KnRZ8zf%2FOjqQ%3D%3D
IC1017: library part TPS564257DRLR, "TPS564252DRLR / Buck Switching Regulator IC Positive Adjustable 0.6V 1 Output 4A SOT-563, SOT-666", Manufacturer_Name="Texas Instruments", Mouser Part Number=595-TPS564257DRLR, Datasheet Link=https://www.ti.com/lit/ds/symlink/tps564257.pdf?HQS=dis-mous-null-mousermode-dsf-pf-null-wwe&ts=1695023870951&ref_url=https%253A%252F%252Fwww.mouser.de%252F, Height=0.6mm, Manufacturer_Part_Number=TPS564257DRLR, Mouser Price/Stock=https://www.mouser.co.uk/ProductDetail/Texas-Instruments/TPS564257DRLR?qs=ulEaXIWI0c8amaZvnJWTQQ%3D%3D
IC1018: library part TPS2116DRLR, "Power Switch/Driver 1:1 N-Channel 4A SOT-583", Manufacturer_Name="Texas Instruments", Mouser Part Number=595-TPS2116DRLR, Arrow Part Number=TPS2116DRLR, Arrow Price/Stock=https://www.arrow.com/en/products/tps2116drlr/texas-instruments?region=nac, Datasheet Link=https://www.ti.com/lit/gpn/tps2116, Height=0.6mm, Manufacturer_Part_Number=TPS2116DRLR, Mouser Price/Stock=https://www.mouser.co.uk/ProductDetail/Texas-Instruments/TPS2116DRLR?qs=aP1CjGhiNiGo3XAyXcVPaQ%3D%3D
IC1019: "Power Supply Controller 10-VSSOP", Manufacturer_Name="Texas Instruments", Mouser Part Number=595-INA237AQDGSRQ1, Arrow Part Number=INA237AQDGSRQ1, Arrow Price/Stock=https://www.arrow.com/en/products/ina237aqdgsrq1/texas-instruments?region=nac, Datasheet Link=https://www.ti.com/lit/ds/symlink/ina237-q1.pdf?ts=1625619121802, Height=1.1mm, Manufacturer_Part_Number=INA237AQDGSRQ1, Mouser Price/Stock=https://www.mouser.co.uk/ProductDetail/Texas-Instruments/INA237AQDGSRQ1?qs=QNEnbhJQKvZMdvZTHxOefQ%3D%3D
J71 J72: "MICRO SD PUSH PUSH, CLOSED, SMT,", Manufacturer_Name="GLOBAL CONNECTOR TECHNOLOGY", Datasheet Link=https://gct.co/files/drawings/mem2061.pdf?v=db251ddb-1946-4f24-aa19-b8a17901bdd2, Height=2.13mm, Manufacturer_Part_Number=MEM2061-01-188-00-A
J83: "Connector", Manufacturer_Name="Wurth Elektronik", Mouser Part Number=710-61300211121, Datasheet Link=https://componentsearchengine.com/Datasheets/2/61300211121.pdf, Height=8.54mm, Manufacturer_Part_Number=61300211121, Mouser Price/Stock=https://www.mouser.co.uk/ProductDetail/Wurth-Elektronik/61300211121?qs=t4813l51qx%252B1A5GYDQxPlw%3D%3D
J84: "Connector Header Surface Mount 10 position 0.050\" (1.27mm)", Manufacturer_Name=SAMTEC, Mouser Part Number=200-FTSH10501LDVK, Arrow Part Number=FTSH-105-01-L-DV-K, Arrow Price/Stock=https://www.arrow.com/en/products/ftsh-105-01-l-dv-k/samtec?region=europe, Datasheet Link=https://www.arrow.com/en/products/ftsh-105-01-l-dv-k/samtec, Height=6.1mm, Manufacturer_Part_Number=FTSH-105-01-L-DV-K, Mouser Price/Stock=https://www.mouser.co.uk/ProductDetail/Samtec/FTSH-105-01-L-DV-K?qs=%252B5JSS813miOqo3Vy%252BvhCFg%3D%3D
J85: library part 53048-0510, "Connector Header Through Hole, Right Angle 5 position 0.049\" (1.25mm)", Manufacturer_Name=Molex, Mouser Part Number=538-53048-0510, Datasheet Link=https://componentsearchengine.com/Datasheets/2/53048-0510.pdf, Height=3.7mm, Manufacturer_Part_Number=53048-0510, Mouser Price/Stock=https://www.mouser.co.uk/ProductDetail/Molex/53048-0510?qs=nn26K2WaEYvXrn%2FdgEEqtg%3D%3D
J86 J87 J88 J89 J810: library part 53048-0310, "Connector Header Through Hole, Right Angle 3 position 0.049\" (1.25mm)", Manufacturer_Name=Molex, Mouser Part Number=538-53048-0310, Datasheet Link=https://www.molex.com/pdm_docs/sd/530481010_sd.pdf, Height=3.5mm, Manufacturer_Part_Number=53048-0310, Mouser Price/Stock=https://www.mouser.co.uk/ProductDetail/Molex/53048-0310?qs=zXrbR4Jv0OfUlEeVnlaifA%3D%3D
J811: "Connector", Manufacturer_Name=Molex, Mouser Part Number=538-53048-0610, Arrow Part Number=53048-0610, Arrow Price/Stock=https://www.arrow.com/en/products/53048-0610/molex?region=nac, Datasheet Link=https://www.molex.com/pdm_docs/sd/530480610_sd.pdf, Height=3.7mm, Manufacturer_Part_Number=53048-0610, Mouser Price/Stock=https://www.mouser.co.uk/ProductDetail/Molex/53048-0610?qs=4XSMV6Twtb0hBXTOEHM3BQ%3D%3D
L101: library part 744316330, "3.3 µH Shielded Wirewound Inductor 5.75 A 18.5mOhm 2-SMD", Manufacturer_Name="Wurth Elektronik", Mouser Part Number=710-744316330, Datasheet Link=https://componentsearchengine.com/Datasheets/1/744316330.pdf, Height=4.3mm, Manufacturer_Part_Number=744316330, Mouser Price/Stock=https://www.mouser.co.uk/ProductDetail/Wurth-Elektronik/744316330?qs=%252B7BPNfeNhvX5azP5TkUELg%3D%3D
R21 R22 R23 R24 R25 R26 R27 R48 R49 R913 R914 R916 R917 R1018 R1021 R1028: library part RNCP0603FTD10K0, "10 kOhms ±1% 0.125W, 1/8W Chip Resistor 0603 (1608 Metric) Anti-Sulfur Thin Film", Manufacturer_Name="Stackpole Electronics", Mouser Part Number=708-RNCP0603FTD10K0, Arrow Part Number=RNCP0603FTD10K0, Arrow Price/Stock=https://www.arrow.com/en/products/rncp0603ftd10k0/stackpole-electronics?region=nac, Datasheet Link=https://cs.seielect.com/catalog/SEI-RNCP.pdf, Height=0.5mm, Manufacturer_Part_Number=RNCP0603FTD10K0, Mouser Price/Stock=https://www.mouser.co.uk/ProductDetail/SEI-Stackpole/RNCP0603FTD10K0?qs=FESYatJ8odL1jmHQSpKOPg%3D%3D
R510 R511 R912 R915: library part ERA-6VEB1200V, "120 Ohms ±0.1% 0.25W, 1/4W Chip Resistor 0805 (2012 Metric) Anti-Sulfur, Automotive AEC-Q200 Thin Film", Manufacturer_Name=Panasonic, Mouser Part Number=667-ERA-6VEB1200V, Arrow Part Number=ERA-6VEB1200V, Arrow Price/Stock=https://www.arrow.com/en/products/era-6veb1200v/panasonic?region=nac, Datasheet Link=http://industrial.panasonic.com/cdbs/www-data/pdf/RDM0000/RDM0000C331.pdf, Height=0.65mm, Manufacturer_Part_Number=ERA-6VEB1200V, Mouser Price/Stock=https://www.mouser.co.uk/ProductDetail/Panasonic/ERA-6VEB1200V?qs=rI7uf1IzohQDwVDMjI%252BQDA%3D%3D
R1019 R1026: library part RMCF0603FT45K3, "45.3 kOhms ±1% 0.1W, 1/10W Chip Resistor 0603 (1608 Metric) Automotive AEC-Q200 Thick Film", Manufacturer_Name="Stackpole Electronics", Arrow Part Number=RMCF0603FT45K3, Arrow Price/Stock=https://www.arrow.com/en/products/rmcf0603ft45k3/stackpole-electronics, Datasheet Link=https://www.seielect.com/Catalog/SEI-RMCF_RMCP.pdf, Height=0.55mm, Manufacturer_Part_Number=RMCF0603FT45K3
R1020 R1022 R1027: library part ERJ-3EKF2002V, "20 kOhms ±1% 0.1W, 1/10W Chip Resistor 0603 (1608 Metric) Automotive AEC-Q200 Thick Film", Manufacturer_Name=Panasonic, Mouser Part Number=667-ERJ-3EKF2002V, Arrow Part Number=ERJ-3EKF2002V, Arrow Price/Stock=https://www.arrow.com/en/products/erj-3ekf2002v/panasonic?region=europe, Datasheet Link=http://industrial.panasonic.com/cdbs/www-data/pdf/RDA0000/AOA0000C86.pdf, Height=0.55mm, Manufacturer_Part_Number=ERJ-3EKF2002V, Mouser Price/Stock=https://www.mouser.co.uk/ProductDetail/Panasonic/ERJ-3EKF2002V?qs=66DK8nO8gJB3y0uxig0mNg%3D%3D
R1023: library part CRF0805-FZ-R001ELF, "1 mOhms ±1% 0.5W, 1/2W Chip Resistor 0805 (2012 Metric) Automotive AEC-Q200, Current Sense, Moisture Resistant Metal Element", Manufacturer_Name=Bourns, Mouser Part Number=652-CRF0805FZR001ELF, Arrow Part Number=CRF0805-FZ-R001ELF, Arrow Price/Stock=https://www.arrow.com/en/products/crf0805-fz-r001elf/bourns?region=nac, Datasheet Link=https://www.bourns.com/docs/product-datasheets/CRF.pdf, Height=0.8mm, Manufacturer_Part_Number=CRF0805-FZ-R001ELF, Mouser Price/Stock=https://www.mouser.co.uk/ProductDetail/Bourns/CRF0805-FZ-R001ELF?qs=t7xnP681wgV0AIQaUselMQ%3D%3D
R1024 R1025: library part ERJ-3EKF10R0V, "10 Ohms ±1% 0.1W, 1/10W Chip Resistor 0603 (1608 Metric) Automotive AEC-Q200 Thick Film", Manufacturer_Name=Panasonic, Mouser Part Number=667-ERJ-3EKF10R0V, Arrow Part Number=ERJ-3EKF10R0V, Arrow Price/Stock=https://www.arrow.com/en/products/erj-3ekf10r0v/panasonic?region=nac, Datasheet Link=http://industrial.panasonic.com/cdbs/www-data/pdf/RDA0000/AOA0000C86.pdf, Height=0.55mm, Manufacturer_Part_Number=ERJ-3EKF10R0V, Mouser Price/Stock=https://www.mouser.co.uk/ProductDetail/Panasonic/ERJ-3EKF10R0V?qs=Y94Hbc6uvEMT73hhx3Gvwg%3D%3D
Y21: "16 MHz TCXO HCMOS Oscillator 3.3V Enable/Disable 4-SMD, No Lead", Manufacturer_Name=ECS, Mouser Part Number=520-T2520-33-160-ANT, Arrow Part Number=ECS-TXO-2520-33-160-AN-TR, Arrow Price/Stock=https://www.arrow.com/en/products/ecs-txo-2520-33-160-an-tr/ecs-international?region=nac, Datasheet Link=https://ecsxtal.com/store/pdf/ECS-TXO-2520.pdf, Height=1mm, Manufacturer_Part_Number=ECS-TXO-2520-33-160-AN-TR, Mouser Price/Stock=https://www.mouser.co.uk/ProductDetail/ECS/ECS-TXO-2520-33-160-AN-TR?qs=KAq9QXcE8HAE1gcf2ozR9w%3D%3D
Y22: "32.768 kHz ±5ppm Crystal 12.5pF 70 kOhms 2-SMD, No Lead", Manufacturer_Name="CITIZEN FINEDEVICE", Mouser Part Number=N/A, Datasheet Link=http://cfd.citizen.co.jp/cms/cfd/pdf/english/CM315D_E.pdf, Height=0.9mm, Manufacturer_Part_Number=CM315D32768HZFT, Mouser Price/Stock=https://www.mouser.co.uk/ProductDetail/Citizen-FineDevice/CM315D32768HZFT?qs=wnTfsH77Xs4JnKs4SU5%252Bgw%3D%3D

## Free pads (board coordinates)
  round 6.35 hole 3.18 mask-2539.97: 1(5.08,5.08) 1(8.89,90.81) 1(82.55,90.81) 1(85.09,5.08)

## Via types
v1: diameter 0.45, hole 0.3, Top Layer to Bottom Layer, tented both sides, 349 vias
v2: diameter 0.762, hole 0.508, Top Layer to Bottom Layer, tented both sides, 35 vias